# KiCad board processed.kicad_pcb (continued)
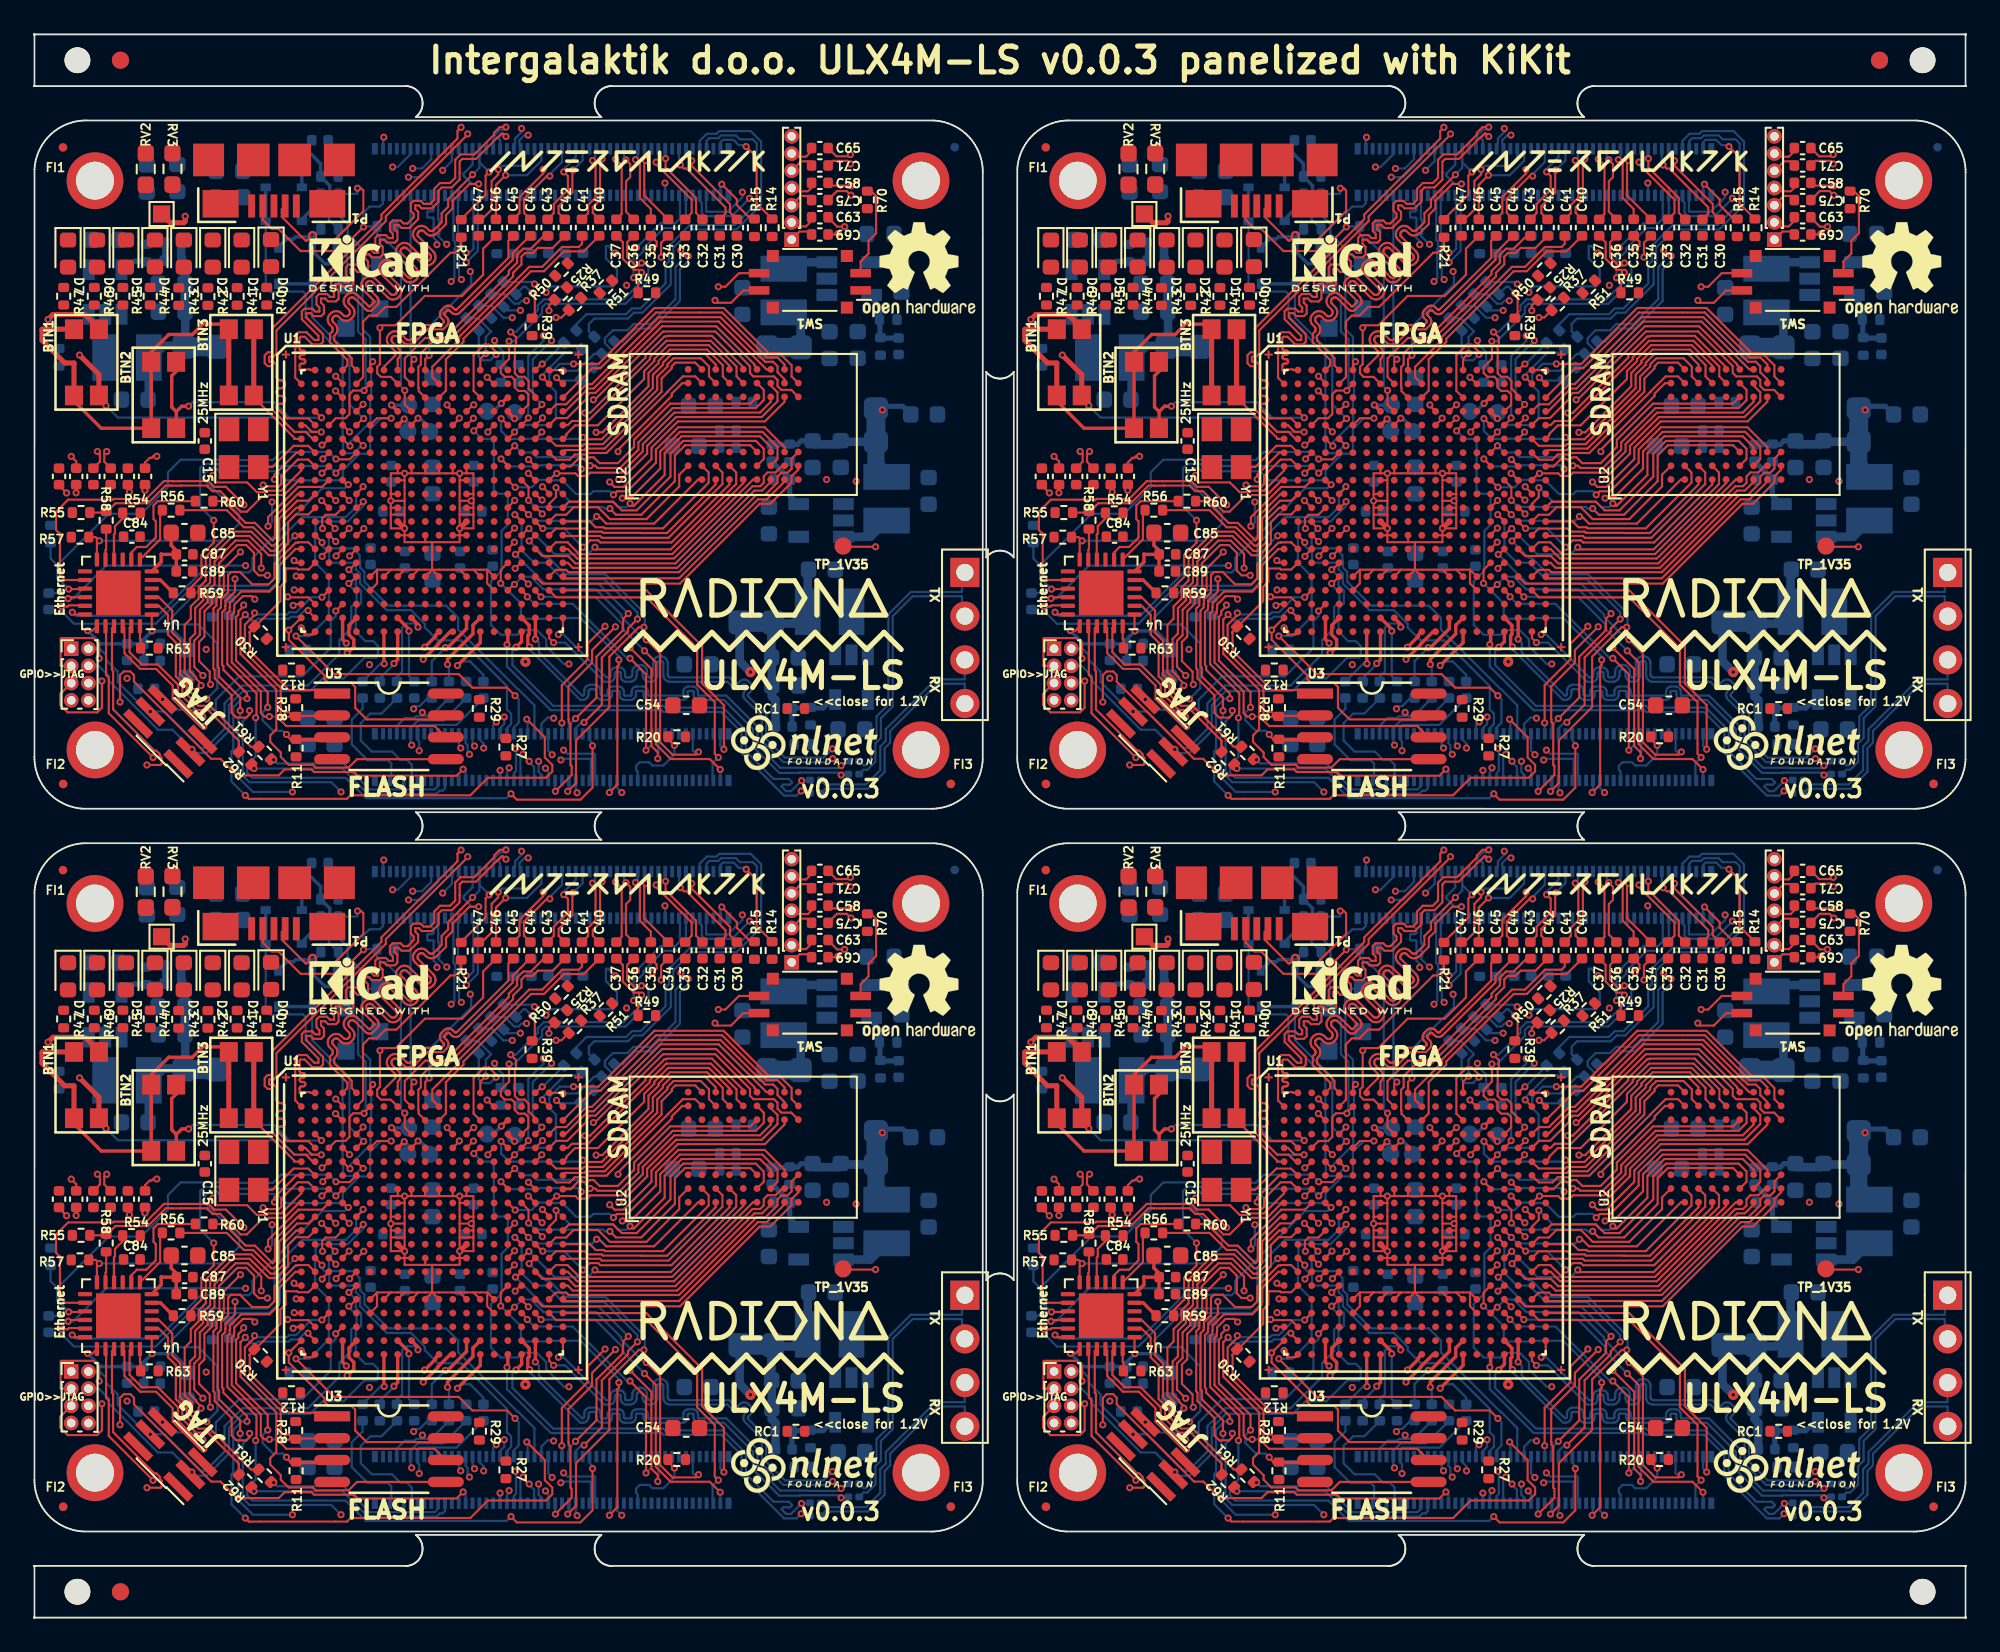
[diagram p0: board, top side]
## Routing (per net, layer and track width the routed paths; a pad name or vN(x,y) marks a point on that pad's centre or on a via; arc(x,y) is an arc through that point) (continued)
Board_3-ETH_1P: length 23.1
  Top w0.127: U4#4.23 62.64,15.51 62.64,14.1 63.36,13.38 64.28,13.38 65.45,12.22 65.45,11.44 66.56,10.33 v1(66.89,10.33)
  In2.Cu w0.127: v1(79.15,10.81) 77.8,9.46 72.76,9.46 72.16,8.86 71.57,8.86 71.21,8.5 70.45,9.26 68.26,9.26 67.19,10.33 v1(66.89,10.33)
  Bottom w0.127: v1(79.15,10.81) 79.3,10.96 79.49,10.96 79.96,11.43 C57#4.1
Board_3-ETH_2N: length 8.2
  Bottom w0.127: J1#4.9 79.04,6.72 79.04,7.56 78.76,7.84 78.38,7.84 77.89,8.33 76.71,8.33 76.08,8.96 76.08,9.98 76.63,10.53 77.28,10.53 C73#4.2
Board_3-ETH_3P: length 6.7
  Bottom w0.127: C62#4.1 76.18,10.81 75.55,10.18 75.55,8.74 76.48,7.82 77.66,7.82 77.85,7.63 77.85,6.73 J1#4.3
Board_3-ETH_MDIO: length 29.2
  Top w0.127: U1#4.E6 77.02,27.69 v1(77.84,27.69) ; R57#4.2 60.67,20.78 v1(60.88,20.57) 60.74,20.44 U4#4.12
  Bottom w0.127: v1(60.88,20.57) 68.02,20.57 69.01,21.57 69.01,22.1 67,24.11 67,24.49 67.29,24.78 67.67,24.78 67.84,24.61 71.21,24.61 71.74,24.08 74.8,24.08 75.03,24.32 75.03,24.67 76,25.63 76.48,25.63 76.62,25.77 76.62,27.06 77.25,27.69 v1(77.84,27.69)
Board_3-ETH_nLED1: length 12.6
  Top w0.127: R62#4.1 69.87,7.42 v1(69.87,7.34)
  Bottom w0.127: J1#4.19 80.97,6.19 80.83,6.05 80.66,6.05 80.48,5.87 76.48,5.87 75.01,7.34 v1(69.87,7.34)
Board_3-ETH_nLED2: length 10.9
  Top w0.127: v1(71.02,7.85) 70.89,7.85 R61#4.1
  Bottom w0.127: v1(71.02,7.85) 71.23,7.64 75.08,7.64 76.59,6.12 80.37,6.12 80.57,6.32 J1#4.17
Board_3-ETH_~{RESET}: length 26.3
  Top w0.127: U1#4.G5 75.43,25.3 74.65,25.3 v1(74.63,25.32) ; U4#4.15 60.02,17.76 v1(59.1,17.76)
  Bottom w0.127: 58.44,19.15 61.43,22.14 63.32,22.14 64.87,23.7 64.87,24.55 65.6,25.29 67.88,25.29 67.9,25.26 70.97,25.26 71.44,25.74 74.22,25.74 v1(74.63,25.32) ; 58.44,19.15 58.44,18.42 v1(59.1,17.76) 58.61,17.76 58.38,17.53 C83#4.2 ; 58.44,19.15 58.05,19.54 R53#4.2
Board_3-FPDI_D1+: length 17
  Top w0.127: v1(93.02,37.46) 93.27,37.71 93.27,37.95 C35#4.1 ; U1#4.D18 86.6,28.47 v1(86.6,28.5)
  In2.Cu w0.127: v1(87.16,32.21) 87.39,32.43 88.16,32.43 89.48,33.76 91.29,33.76 92.52,34.99 93.49,34.99 94.04,35.53 94.04,37.12 93.69,37.46 v1(93.02,37.46)
  Bottom w0.127: v1(86.6,28.5) 86.07,29.02 86.07,31.12 v1(87.16,32.21)
Board_3-FPDI_D1-: length 17
  Top w0.127: U1#4.E17 85.81,27.69 v1(85.81,27.72) ; v1(93.53,37.05) 93.53,37.89 C34#3.1
  In2.Cu w0.127: v1(93.53,37.05) 93.74,36.85 93.74,35.59 93.39,35.24 92.42,35.24 91.19,34.01 89.38,34.01 88.06,32.7 86.9,32.7 v1(86.69,32.49)
  Bottom w0.127: v1(85.81,27.72) 85.81,31.31 86.69,32.19 v1(86.69,32.49)
Board_3-FPDI_D2+: length 17.1
  Top w0.127: v1(92.39,36.17) 92.24,36.32 91.95,36.32 91.3,36.96 91.3,37.92 C37#4.1 ; U1#4.C18 86.22,29.03 85.83,29.42 85.83,29.86 85.59,30.1 85.23,30.1 85.03,30.31 85.03,31.85 85.1,31.92 85.1,32.4 v1(84.79,32.71)
  Bottom w0.127: v1(84.79,32.71) 85.08,32.71 86.36,33.98 86.36,34.25 86.71,34.6 91.35,34.6 92.39,35.64 v1(92.39,36.17)
Board_3-FPDI_D2-: length 19.2
  Top w0.127: v1(84.69,32.17) 84.69,31.14 84.21,30.66 84.21,30.33 84.43,30.1 84.84,30.1 85.02,29.92 85.02,29.49 85.23,29.29 85.61,29.29 85.81,29.08 85.81,28.49 U1#4.D17 ; C36#4.1 91.56,37.92 91.56,37.07 92.05,36.57 92.24,36.57 v1(92.39,36.72)
  Bottom w0.127: v1(84.69,32.17) 84.99,32.17 86.61,33.79 86.61,34.14 86.82,34.35 91.46,34.35 92.79,35.67 92.79,36.61 92.69,36.72 v1(92.39,36.72)
Board_3-GLOBAL_EN: length 18.7
  Top w0.127: v1(96.96,7.28) 96.35,7.89 94.08,7.89 93.22,8.76 93.22,13.52 v1(92.56,14.18) ; U1#4.U18 86.22,17.65 v1(86.55,17.32)
  Bottom w0.127: J1#4.99 96.97,7.28 v1(96.96,7.28) ; v1(86.55,17.32) 89.7,17.32 91.27,15.74 91.27,15.47 v1(92.56,14.18)
Board_3-GN0: length 14.4
  Top w0.127: U1#4.C11 81.02,29.29 81.02,31.11 82.04,32.14 82.04,32.32 85.96,36.24 86.72,36.24 87.88,37.39 89.03,37.39 C40#4.1
Board_3-GN3: length 14.4
  Top w0.127: C42#4.1 87.23,37.59 86.37,37.59 86.07,37.29 85.62,37.29 85.41,37.09 85.41,36.64 84.93,36.15 84.93,35.94 81.1,32.11 80.21,32.11 79.57,31.46 79.57,30.82 79.42,30.67 79.42,29.48 79.44,29.46 79.44,29.27 U1#4.C10
Board_3-GN4: length 14
  Top w0.127: U1#4.A8 78.22,31.13 78.24,31.15 78.3,31.23 78.35,31.32 78.37,31.42 78.37,31.52 78.35,31.61 78.3,31.7 78.24,31.78 77.92,32.1 77.89,32.14 77.87,32.19 77.85,32.24 77.85,32.29 77.87,32.34 77.89,32.38 77.92,32.42 77.96,32.45 78,32.47 78.05,32.48 78.1,32.48 78.15,32.47 78.19,32.45 78.23,32.42 78.55,32.1 78.63,32.04 78.72,31.99 78.82,31.97 78.92,31.97 79.02,31.99 79.11,32.04 79.19,32.1 79.95,32.86 80.86,32.86 81.07,33.07 81.12,33.13 81.15,33.2 81.17,33.28 81.17,33.36 81.15,33.43 81.12,33.5 81.07,33.56 80.97,33.66 80.95,33.68 80.94,33.71 80.93,33.73 80.93,33.76 80.94,33.78 80.95,33.8 80.97,33.82 81.09,33.94 81.11,33.96 81.13,33.97 81.15,33.98 81.18,33.98 81.2,33.97 81.23,33.96 81.25,33.94 81.35,33.84 81.41,33.79 81.48,33.76 81.55,33.74 81.63,33.74 81.71,33.76 81.78,33.79 81.84,33.84 84.9,36.91 84.9,37.3 85.9,38.29 C44#4.1
Board_3-GN5: length 14
  Top w0.127: U1#4.B8 77.82,30.1 77.24,30.1 77.03,30.31 77.03,30.68 77.19,30.84 v1(77.19,32.95) 77.33,33.09 78.09,33.09 79.8,34.8 81.96,34.8 83.18,36.03 83.18,37.55 C46#4.1
Board_3-GP0: length 13.4
  Top w0.127: C41#4.1 88.93,37.83 88.74,37.65 87.77,37.65 86.62,36.49 85.86,36.49 81.79,32.42 81.79,32.24 80.23,30.68 80.23,30.09 U1#4.B11
Board_3-GP3: length 13.3
  Top w0.127: U1#4.B9 78.63,30.09 78.63,31.18 79.82,32.36 80.97,32.36 84.67,36.07 84.67,36.26 85.16,36.74 85.16,37.19 85.52,37.55 85.96,37.55 86.71,38.29 C43#4.1
Board_3-GP4: length 13.9
  Top w0.127: U1#4.A7 77.42,30.69 78.04,31.31 78.07,31.35 78.09,31.39 78.1,31.44 78.1,31.49 78.09,31.54 78.07,31.58 78.04,31.62 77.72,31.94 77.66,32.02 77.61,32.11 77.59,32.21 77.59,32.31 77.61,32.41 77.66,32.5 77.72,32.58 77.76,32.62 77.84,32.68 77.93,32.73 78.03,32.75 78.13,32.75 78.22,32.73 78.31,32.68 78.39,32.62 78.71,32.3 78.75,32.27 78.8,32.25 78.85,32.23 78.9,32.23 78.95,32.25 78.99,32.27 79.03,32.3 79.85,33.11 80.75,33.11 80.88,33.24 80.89,33.26 80.9,33.28 80.91,33.31 80.91,33.33 80.9,33.35 80.89,33.38 80.88,33.4 80.77,33.5 80.72,33.56 80.69,33.63 80.67,33.7 80.67,33.78 80.69,33.86 80.72,33.93 80.77,33.99 80.92,34.14 80.98,34.19 81.05,34.22 81.13,34.24 81.21,34.24 81.28,34.22 81.35,34.19 81.41,34.14 81.51,34.03 81.53,34.02 81.56,34.01 81.58,34 81.6,34 81.63,34.01 81.65,34.02 81.67,34.03 82.33,34.7 84.65,37.01 84.65,38.02 C45#4.1
Board_3-GPIO2: length 19.7
  Top w0.127: v1(92.15,16.02) 91.6,15.47 91.6,15.3 90.08,13.78 90.08,11.05 v1(89.05,10.02) ; U1#4.M17 85.42,21.7 v1(85.03,22.09)
  Bottom w0.127: J1#4.58 88.57,9.69 88.9,10.02 v1(89.05,10.02) ; v1(85.03,22.09) 85.42,21.7 85.42,20.02 86.15,19.29 86.87,19.29 87.83,18.33 90.23,18.33 92.15,16.42 v1(92.15,16.02)
Board_3-GPIO3: length 16.9
  Top w0.127: v1(85.06,19.78) 85.11,19.78 U1#4.P17 ; v1(91.62,16.34) 91.32,16.04 91.32,15.38 89.77,13.83 89.77,11.46 v1(88.55,10.24)
  Bottom w0.127: v1(88.55,10.24) 88.17,9.86 J1#4.56 ; v1(85.06,19.78) 86.78,18.06 89.9,18.06 v1(91.62,16.34)
Board_3-GPIO4: length 15.4
  Top w0.127: v1(90.27,15.6) 89.26,14.6 89.26,13.69 87.76,12.18 v1(87.76,9.99) ; v1(85,20.49) 84.62,20.11 U1#4.P16
  In2.Cu w0.127: v1(90.27,15.6) 89.85,16.02 89.85,16.21 87.8,18.27 87.8,18.38 86.39,19.78 85.63,19.78 85,20.41 v1(85,20.49)
  Bottom w0.127: v1(87.76,9.99) 87.77,9.98 J1#4.54
Board_3-GPIO5: length 48
  Top w0.127: v1(72.25,20.86) 72.28,20.89 U1#4.N1
  In2.Cu w0.127: v1(67.12,11.38) 64.12,8.38 63.81,8.38 63.25,7.81 63.25,7.38 63.48,7.15 63.82,7.15 64,7.32 64.68,7.32 65.35,6.65 68.57,6.65 68.86,6.94 69.87,6.94 69.95,6.87 71.32,6.87 71.72,7.27 73.92,7.27 74.04,7.39 76.88,7.39 77.26,7.02 77.64,7.02 77.66,7.04 80.3,7.04 80.98,7.71 82.51,7.71 82.79,7.99 83.17,7.99 83.31,8.14 83.83,8.14 84.16,8.47 84.16,9.84 v1(83.95,10.05)
  Bottom w0.127: v1(67.12,11.38) 67.74,12 67.74,14.6 66.63,15.71 65.38,15.71 65.06,16.03 65.06,16.1 66.66,17.71 70.75,17.71 71.37,18.32 71.37,19.99 v1(72.25,20.86) ; v1(83.95,10.05) 83.77,9.86 J1#4.34
Board_3-GPIO6: length 21.2
  Top w0.127: v1(72.2,19.43) 72.33,19.29 U1#4.R1
  In2.Cu w0.127: v1(83.22,8.53) 83.14,8.6 83.14,10.97 83.54,11.36 83.54,13.07 82.18,14.43 82.18,15.84 81.41,16.61 77.72,16.61 77.65,16.54 77.4,16.54 76.25,17.69 75.19,17.69 73.61,17.69 72.72,18.59 72.72,18.91 v1(72.2,19.43)
  Bottom w0.127: J1#4.30 82.97,9.04 83.22,8.79 v1(83.22,8.53)
Board_3-GPIO7: length 21.6
  Top w0.127: U1#4.P3 73.83,19.71 v1(73.83,19.67)
  In2.Cu w0.127: v1(73.83,19.67) 73.83,19 74.34,18.49 75.19,18.49 75.81,18.49 77.44,16.86 81.54,16.86 82.43,15.97 82.43,14.54 83.81,13.16 83.81,11.46 84.54,10.74 84.6,10.74 84.81,10.53 84.81,8.84 84.67,8.69 84.67,7.41 v1(84.7,7.38)
  Bottom w0.127: v1(84.7,7.38) 84.7,7.23 84.57,7.1 J1#4.37
Board_3-GPIO8: length 21.2
  Top w0.127: v1(74.64,19.7) 74.64,19.72 U1#4.P4
  In2.Cu w0.127: v1(85.07,8.5) 85.07,10.63 84.71,10.99 84.64,10.99 84.07,11.57 84.07,13.26 82.7,14.63 82.7,16.09 82.21,16.58 82.21,17.45 82,17.66 77.25,17.66 75.62,19.29 75.04,19.29 v1(74.64,19.7)
  Bottom w0.127: J1#4.39 84.97,7.06 85.1,7.19 85.1,8.47 v1(85.07,8.5)
Board_3-GPIO9: length 28.6
  Top w0.127: v1(76.22,22.85) 75.86,22.49 U1#4.L5 ; v1(85.04,11.57) 84.58,12.04 82.56,12.04 81.77,12.82 74.52,12.82 v1(72.31,15.04)
  Bottom w0.127: v1(72.31,15.04) 73.09,15.04 74.22,16.16 74.22,18.5 73.42,19.3 73.42,21 73.45,21.02 73.45,21.47 73.67,21.7 75.31,21.7 76.22,22.6 v1(76.22,22.85) ; v1(85.04,11.57) 85.25,11.36 85.25,10 84.97,9.72 J1#4.40
Board_3-GPIO10: length 48
  Top w0.127: v1(69.37,5.78) 69.57,5.58 75.27,5.58 75.48,5.78 82.44,5.78 83.46,6.8 86.84,6.8 87.2,7.17 87.2,7.55 86.77,7.99 86.77,9.16 v1(85.72,10.2) ; v1(75.4,22.92) 75.4,22.92 U1#4.K4 ; v1(69.47,11.4) 69.47,11.7 68.09,13.07 68.09,13.29 68.02,13.36 68.02,16.42 68.2,16.6 68.2,16.79 68.21,16.8 68.21,17.07 68.77,17.63 v1(68.77,18.36)
  In2.Cu w0.127: v1(68.77,18.36) 68.77,19.09 69.21,19.53 69.28,19.53 69.31,19.57 69.93,19.57 71.09,20.72 71.09,21.57 73.08,23.57 74.75,23.57 v1(75.4,22.92)
  Bottom w0.127: J1#4.44 85.77,10.16 v1(85.72,10.2) ; v1(69.37,5.78) 68.56,6.59 68.56,8.33 68.67,8.44 68.67,10.9 69.17,11.4 v1(69.47,11.4)
Board_3-GPIO11: length 18.8
  Top w0.127: U1#4.N2 73.82,20.49 v1(73.82,20.48)
  Bottom w0.127: J1#4.38 84.57,9.68 84.81,9.92 84.81,10.53 84.57,10.77 84.57,12.13 81.91,14.78 80.55,14.78 79.8,15.54 79.8,15.74 79,16.54 77.58,16.54 76.04,18.09 76.04,18.66 75.79,18.91 75.79,19.13 75.62,19.29 75.24,19.29 74.25,19.29 74.24,19.3 74.24,19.87 73.82,20.29 v1(73.82,20.48)
Board_3-GPIO12: length 29.6
  Top w0.127: U1#4.L2 73.03,22.1 72.3,22.1 71.85,21.65 71.85,20.41 71.17,19.73 70.73,19.73 69.61,20.85 68.64,20.85 67.32,19.54 67.32,18.16 66.91,17.75 66.91,17.12 66.45,16.66 66.45,15.18 66.14,14.88 66.14,12.99 66.51,12.62 66.51,12.55 66.8,12.27 v1(66.8,12.17) ; v1(60.87,13.74) 60.87,14.59 60.55,14.92 58.67,14.92 58.63,14.88 58.63,13.32 58.65,13.3 J6#4.3
  In2.Cu w0.127: v1(60.87,13.74) 61.04,13.58 61.04,13.35 61.15,13.35 62.31,12.18 63.97,12.18 64.45,12.66 66.3,12.66 v1(66.8,12.17)
Board_3-GPIO13: length 21.4
  Top w0.127: v1(72.32,18.52) 72.35,18.49 U1#4.T1
  In2.Cu w0.127: v1(72.32,18.52) 72.32,18.22 73.65,16.89 74.17,16.89 74.22,16.84 74.22,15.9 74.55,15.57 75.58,15.57 75.99,15.16 77.71,15.16 78.9,16.35 81.3,16.35 81.92,15.73 81.92,14.33 83.27,12.98 83.27,11.51 82.68,10.92 v1(82.68,8.65)
  Bottom w0.127: v1(82.68,8.65) 82.57,8.77 J1#4.28
Board_3-GPIO14: length 22
  Top w0.127: v1(88.1,6.02) 88.58,6.5 88.58,8.97 90.52,10.91 90.52,13.84 92.23,15.55 v1(92.53,15.55) ; U1#4.N18 86.19,20.89 v1(85.86,20.56)
  Bottom w0.127: J1#4.55 88.17,6.08 v1(88.1,6.02) ; v1(92.53,15.55) 92.58,15.6 92.58,16.34 90.3,18.62 87.97,18.62 87,19.59 86.83,19.59 v1(85.86,20.56)
Board_3-GPIO15: length 21
  Top w0.127: v1(85.01,21.31) 84.62,20.92 U1#4.N16 ; v1(90.87,15.57) 89.52,14.22 89.52,13.49 88.14,12.12 88.14,10.2 88.16,10.18 88.16,10.03 88.26,9.93 88.26,7.55 88.33,7.48 88.33,6.96 v1(87.38,6.02)
  In2.Cu w0.127: v1(90.87,15.57) 90.32,16.12 90.32,16.19 88.05,18.47 88.05,18.6 86.62,20.04 85.79,20.04 85.44,20.38 85.44,20.88 v1(85.01,21.31)
  Bottom w0.127: J1#4.51 87.37,6.03 v1(87.38,6.02)
Board_3-GPIO16: length 28.8
  Top w0.127: J6#4.5 58.61,11.66 58.61,11.03 59.04,10.6 60.76,10.6 61.03,10.87 v1(61.03,12.42) ; U1#4.L1 72.33,22.49 71.6,21.76 71.6,20.51 71.07,19.99 70.84,19.99 69.72,21.11 68.53,21.11 67.07,19.64 67.07,18.26 66.66,17.86 66.66,17.23 66.2,16.76 66.2,16.04 65.84,15.68 65.84,12.91 66.26,12.5 66.26,11.92 v1(66.36,11.82)
  In2.Cu w0.127: v1(66.36,11.82) 65.77,12.41 64.57,12.41 64.09,11.93 62.21,11.93 61.59,12.55 61.15,12.55 v1(61.03,12.42)
Board_3-GPIO17: length 68.2
  Top w0.127: v1(73.82,24.5) 73.83,24.5 U1#4.H3
  In2.Cu w0.127: v1(73.82,24.5) 72.98,25.35 67.95,25.35 67.38,25.91 66.81,25.91 66.21,25.32 65.5,25.32 65.26,25.08 58.31,25.08 57.78,24.55 57.78,10.62 57.95,10.45 57.95,7.48 59.59,5.83 63.52,5.83 63.55,5.81 67.11,5.81 67.14,5.83 67.52,5.83 67.55,5.81 68.8,5.81 69.17,6.18 69.56,6.18 69.63,6.1 71.64,6.1 72.04,6.5 74.5,6.5 74.63,6.63 76.56,6.63 76.94,6.26 77.96,6.26 77.97,6.27 83.57,6.27 83.57,6.28 83.72,6.28 84.22,6.78 86.89,6.78 87.24,7.12 87.24,8.1 v1(87.19,8.14)
  Bottom w0.127: J1#4.50 86.97,8.37 v1(87.19,8.14)
Board_3-GPIO18: length 25.4
  Top w0.127: v1(76.25,21.28) 75.86,20.89 U1#4.N5
  In2.Cu w0.127: v1(86.8,7.36) 86.98,7.54 86.98,7.71 86.79,7.9 86.79,9.37 86.63,9.54 86.63,13.61 86.62,13.62 86.62,15.04 86.2,15.45 86.04,15.45 85.62,15.03 83.89,15.03 83.81,15.12 83.81,17.91 83.81,17.91 83.81,18.3 83.85,18.34 83.85,19.82 83.39,20.27 77.26,20.27 v1(76.25,21.28)
  Bottom w0.127: v1(86.8,7.36) 86.97,7.2 J1#4.49
Board_3-GPIO19: length 21.9
  Top w0.127: U1#4.U1 72.23,17.69 v1(72.21,17.72)
  In2.Cu w0.127: v1(72.21,17.72) 72.43,17.72 73.41,16.74 73.41,15.91 74.02,15.3 75.49,15.3 75.88,14.91 77.81,14.91 79,16.1 81.2,16.1 81.67,15.63 81.67,14.22 83.02,12.87 83.02,11.62 82.28,10.89 82.28,8.27 v1(82.39,8.16)
  Bottom w0.127: J1#4.26 82.17,8.81 82.28,8.7 82.28,8.27 v1(82.39,8.16)
Board_3-GPIO20: length 28
  Top w0.127: U1#4.L3 73.81,22.91 v1(73.8,22.91) ; v1(70.29,18.99) 70.29,19.81 69.52,20.59 68.79,20.59 67.58,19.37 67.58,18.05 67.17,17.65 67.17,17.01 66.72,16.57 66.72,15.09 66.4,14.77 66.4,13.25 v1(66.9,12.74)
  In2.Cu w0.127: v1(66.9,12.74) 66.51,13.13 63.04,13.13 v1(62.49,12.58) 62.49,13.85 61.39,14.95 59.9,14.95 J6#4.1 ; v1(73.8,22.91) 73.19,22.91 71.6,21.32 71.6,20.29 v1(70.29,18.99)
Board_3-GPIO21: length 53.8
  Top w0.127: v1(62.08,11.2) 62.08,12.77 62.3,12.98 62.68,12.98 62.89,12.78 62.89,12.39 67.38,7.9 67.92,7.9 68.88,6.94 71.31,6.94 71.65,7.29 73.2,7.29 73.35,7.14 75.68,7.14 75.9,6.92 81.64,6.92 v3(82.02,7.3) ; v1(67.34,12.23) 67.3,12.27 67.3,12.96 66.68,13.58 66.68,14.69 66.99,15 66.99,16.48 67.42,16.91 67.42,17.36 67.86,17.79 67.86,18.75 67.84,18.77 67.84,19.26 68.9,20.32 69.42,20.32 69.87,19.87 69.87,18.84 70.15,18.57 v1(70.65,18.57) ; v1(73.85,21.29) 73.83,21.31 73.83,21.88 74.03,22.09 74.61,22.09 U1#4.L4
  In2.Cu w0.127: J6#4.7 59.87,10.69 61.18,10.69 61.7,11.2 v1(62.08,11.2) 63.98,11.2 64.43,10.75 65.86,10.75 66.74,11.64 66.78,11.64 66.93,11.78 67.19,11.78 67.34,11.93 v1(67.34,12.23) ; v1(73.85,21.29) 72.65,20.08 72.16,20.08 v1(70.65,18.57)
  Bottom w0.127: v3(82.02,7.3) 82.17,7.15 J1#4.25
Board_3-GPIO22: length 20.3
  Top w0.127: U1#4.M3 74.22,21.65 v1(74.58,21.29)
  Bottom w0.127: J1#4.46 86.17,11.01 85.22,11.96 85.19,11.96 81.73,15.42 81.73,16.1 81.03,16.8 77.84,16.8 77.83,16.81 77.67,16.81 76.29,18.19 76.29,18.77 76.04,19.02 76.04,19.4 76.01,19.43 76.01,19.73 75.61,20.13 74.37,20.13 74.22,20.29 74.22,20.93 v1(74.58,21.29)
Board_3-GPIO23: length 23.9
  Top w0.127: U1#4.N4 75.02,20.91 v1(75.4,21.29)
  In2.Cu w0.127: v1(75.4,21.29) 76.68,20.01 83.29,20.01 83.59,19.72 83.59,18.44 83.55,18.4 83.55,17.81 83.55,17.81 83.55,14.92 84.15,14.32 84.17,14.32 86.37,12.12 86.37,9.43 86.54,9.27 86.54,7.89 v1(86.41,7.76)
  Bottom w0.127: J1#4.47 86.57,6.98 86.4,7.14 86.4,7.75 v1(86.41,7.76)
Board_3-GPIO24: length 23.4
  Top w0.127: v1(74.62,20.54) 74.26,20.89 U1#4.N3
  In2.Cu w0.127: v1(74.62,20.54) 75.05,20.1 75.66,20.1 76.93,18.83 82.81,18.83 83.3,18.35 83.3,17.7 83.3,17.7 83.3,14.75 86.12,11.93 86.12,9.33 86.28,9.16 86.28,8.23 85.86,7.81 v1(85.86,7.76)
  Bottom w0.127: J1#4.45 86.15,6.66 86.15,7.43 85.86,7.72 v1(85.86,7.76)
Board_3-GPIO25: length 21.5
  Top w0.127: U1#4.P5 75.43,19.7 v1(75.43,19.69)
  In2.Cu w0.127: v1(85.5,8.17) 85.48,8.19 85.48,9.8 85.32,9.97 85.32,10.74 84.81,11.24 84.75,11.24 84.32,11.67 84.32,13.37 83.05,14.64 83.05,17.6 83.04,17.6 83.04,18.24 82.76,18.52 76.88,18.52 75.71,19.69 v1(75.43,19.69)
  Bottom w0.127: v1(85.5,8.17) 85.35,8.02 85.35,6.66 J1#4.41
Board_3-GPIO26: length 17.3
  Top w0.127: v1(72.15,16.82) 72.22,16.89 U1#4.V1
  In2.Cu w0.127: v1(81.88,8.53) 80.2,10.21 80.2,14.61 80.01,14.8 78.35,14.8 78.31,14.76 78.3,14.76 78.19,14.66 75.78,14.66 75.39,15.05 73.91,15.05 v1(72.15,16.82)
  Bottom w0.127: v1(81.88,8.53) 81.77,8.64 J1#4.24
Board_3-GPIO27: length 31.5
  Top w0.127: v1(85.05,18.97) 85.37,19.29 U1#4.R17
  In2.Cu w0.127: v1(87.28,10.26) 87.28,9.66 87.33,9.61 87.57,9.61 88.4,8.78 88.4,6.98 89.84,5.54 91.74,5.54 92.37,6.17 94.33,6.17 94.83,6.67 94.83,8.83 94.47,9.19 94.14,9.19 93.46,9.87 93.46,11.18 92.12,12.52 92.12,14.57 91.82,14.87 90.11,14.87 86.97,18.01 86.82,18.01 85.87,18.97 v1(85.05,18.97)
  Bottom w0.127: v1(87.28,10.26) 87.24,10.3 86.94,10.3 86.57,9.93 J1#4.48
Board_3-HDMI0_CLK_N: length 5.3
  Top w0.127: v1(95.31,42.66) 95.31,42.36 97.53,40.14 97.53,39.65 C30#4.2
  Bottom w0.127: v1(95.31,42.66) 94.97,43 J2#4.90
Board_3-HDMI0_CLK_P: length 5.5
  Top w0.127: v1(94.64,42.42) 94.85,42.21 95.01,42.21 97.27,39.95 97.27,39.59 C31#4.2
  Bottom w0.127: v1(94.64,42.42) 94.57,42.49 J2#4.88
Board_3-HDMI0_SCL: length 6.9
  Top w0.127: v1(98.47,43.48) 99.08,42.87 99.08,40.17 R14#4.2
  Bottom w0.127: J2#4.100 96.97,43.73 97.12,43.88 97.73,43.88 98.04,43.57 98.39,43.57 v1(98.47,43.48)
Board_3-HDMI0_SDA: length 3.6
  Top w0.127: R15#4.2 98.74,39.27 97.93,40.08 97.93,40.41 v1(97.05,41.29)
  Bottom w0.127: J2#4.99 96.97,41.21 v1(97.05,41.29)
Board_3-HDMI0_TX0_N: length 5
  Top w0.127: v1(93.79,42.79) 93.79,42.27 95.56,40.5 95.56,39.63 C32#4.2
  Bottom w0.127: v1(93.79,42.79) 93.77,42.81 J2#4.84
Board_3-HDMI0_TX0_P: length 5.2
  Top w0.127: C33#4.2 95.3,39.63 95.3,40.39 93.24,42.46 v1(93.24,42.58)
  Bottom w0.127: v1(93.24,42.58) 93.37,42.71 J2#4.82
Board_3-HDMI0_TX1_N: length 4.7
  Top w0.127: C34#3.2 92.55,40.64 92.55,42.58 v1(92.64,42.67)
  Bottom w0.127: v1(92.64,42.67) 92.57,42.74 J2#4.78
Board_3-HDMI0_TX1_P: length 4.5
  Top w0.127: C35#4.2 92.93,39.85 92.29,40.49 92.29,42.46 v1(92.04,42.72)
  Bottom w0.127: v1(92.04,42.72) 92.17,42.85 J2#4.76
Board_3-HDMI0_TX2_N: length 4.5
  Top w0.127: C36#4.2 91.49,39.7 91.49,41.46 91.73,41.71 91.73,42.46 v1(91.49,42.71)
  Bottom w0.127: J2#4.72 91.37,42.83 v1(91.49,42.71)
Board_3-HDMI0_TX2_P: length 4.4
  Top w0.127: v1(90.88,42.75) 91.23,42.39 91.23,39.56 C37#4.2
  Bottom w0.127: v1(90.88,42.75) 90.97,42.84 J2#4.70
Board_3-HDMI1_CLK_N: length 4.5
  Top w0.127: v1(90.1,42.76) 89.98,42.65 89.98,40.38 89.56,39.96 89.56,39.62 C40#4.2
  Bottom w0.127: J2#4.66 90.17,42.84 v1(90.1,42.76)
Board_3-HDMI1_CLK_P: length 4.6
  Top w0.127: 89.6,42.48 89.72,42.36 89.72,40.52 89.28,40.08 89.28,39.6 C41#4.2
  Top w0.2: 89.6,42.48 89.54,42.53 v1(89.54,42.68)
  Bottom w0.127: v1(89.54,42.68) 89.69,42.83 89.69,43.28 J2#4.64
Board_3-HDMI1_TX0_N: length 4.8
  Top w0.127: v1(88.41,42.12) 88.37,42.08 88.37,40.82 87.57,40.01 87.57,39.61 C42#4.2
  Bottom w0.127: J2#4.60 88.97,42.68 v1(88.41,42.12)
Board_3-HDMI1_TX0_P: length 5
  Top w0.127: v1(87.87,42.01) 88.11,41.77 88.11,40.96 87.29,40.14 87.29,39.61 C43#4.2
  Bottom w0.127: v1(87.87,42.01) 87.87,42.17 88.57,42.87 J2#4.58
Board_3-HDMI1_TX1_N: length 5.3
  Top w0.127: C44#4.2 85.56,39.62 85.56,40.44 86.88,41.77 v1(87.06,41.77)
  Bottom w0.127: v1(87.06,41.77) 87.06,41.88 87.77,42.58 J2#4.54
Board_3-HDMI1_TX1_P: length 5.1
  Top w0.127: v1(86.67,42.15) 86.67,41.92 85.3,40.54 85.3,39.62 C45#4.2
  Bottom w0.127: J2#4.52 87.37,42.85 v1(86.67,42.15)
Board_3-HDMI1_TX2_N: length 5.9
  Top w0.127: v1(84.49,41.82) 83.93,41.26 C46#4.2
  Bottom w0.127: J2#4.48 86.57,42.66 85.73,41.82 v1(84.49,41.82)
Board_3-HDMI1_TX2_P: length 6.5
  Top w0.127: v1(84.06,42.16) 84.06,41.86 83.68,41.47 83.68,39.82 83.11,39.25 C47#4.2
  Bottom w0.127: J2#4.46 86.17,42.68 85.85,42.36 84.27,42.36 v1(84.06,42.16)
Board_3-ID_SC: length 66.1
  Top w0.127: U1#4.J3 73.83,23.7 72.45,23.7 70.69,21.94 v1(70.69,21.42)
  In2.Cu w0.127: v1(70.92,22.83) 70.71,23.04 70.61,23.04 68.87,24.78 67.29,24.78 66.39,23.88 65.01,23.88 64.06,24.82 58.41,24.82 58.03,24.45 58.03,10.73 58.2,10.56 58.2,7.58 59.7,6.09 68.72,6.09 69.07,6.43 69.66,6.43 69.74,6.36 71.53,6.36 71.93,6.76 74.13,6.76 74.25,6.89 76.67,6.89 77.05,6.51 77.85,6.51 77.87,6.53 83.47,6.53 83.47,6.53 83.62,6.53 84.17,7.08 v1(84.17,7.23)
  Bottom w0.127: v1(70.69,21.42) 70.92,21.65 v1(70.92,22.83) ; J1#4.35 84.17,7.23 v1(84.17,7.23)
Board_3-ID_SD: length 63.5
  Top w0.127: v1(67.48,24.38) 67.48,24.15 67.67,23.96 69.47,23.96 70.04,23.4 70.54,23.4 70.62,23.48 71.45,23.48 72.62,24.66 U1#4.H1
  In2.Cu w0.127: v1(67.48,24.38) 66.72,23.61 64.91,23.61 63.96,24.57 58.52,24.57 58.29,24.34 58.29,10.83 58.69,10.44 61.24,10.44 62.84,8.84 62.84,7.42 63.37,6.89 63.92,6.89 64.1,7.07 64.57,7.07 65.25,6.4 68.67,6.4 68.96,6.69 69.77,6.69 69.84,6.61 71.43,6.61 71.83,7.01 74.02,7.01 74.15,7.14 76.77,7.14 77.15,6.76 77.75,6.76 77.76,6.78 83.36,6.78 83.36,6.79 83.51,6.79 83.77,7.04 83.77,7.43 84.41,8.07 v1(84.41,10.34)
  Bottom w0.127: J1#4.36 84.17,9.68 84.41,9.93 v1(84.41,10.34)
Board_3-JTAG_TCK: length 25.9
  Top w0.127: U1#4.T5 75.42,18.09 v1(75.38,18.09)
  Bottom w0.127: J6#4.2 60.26,14.29 60.91,14.29 61.27,13.93 61.27,13.65 61.95,12.97 61.95,12.38 63.68,10.65 v1(63.84,10.65) 64.67,10.65 66.78,8.54 67.05,8.54 68.16,9.64 68.16,11.12 69.2,12.16 73,12.16 74.83,13.99 74.83,14.24 74.83,14.25 74.83,14.81 75.52,15.5 75.52,16.73 75.83,17.05 75.83,17.58 75.38,18.03 v1(75.38,18.09)